# Altium PCB XMS0004.PcbDoc (part 2 of 5)
Units mm, origin at the board's own origin, x right, y up, seen from the top; angles counter-clockwise.
Board outline 160 x 130 mm, 4 copper layers (Layer 1 (Top), Layer 2 (GND), Layer 3 (PWR), Layer 4 (Bottom)), stack 1.564 mm thick; 490 components, 328 nets, 1713 pads, 922 vias.
Unrouted connection lines stored in the file: 5.
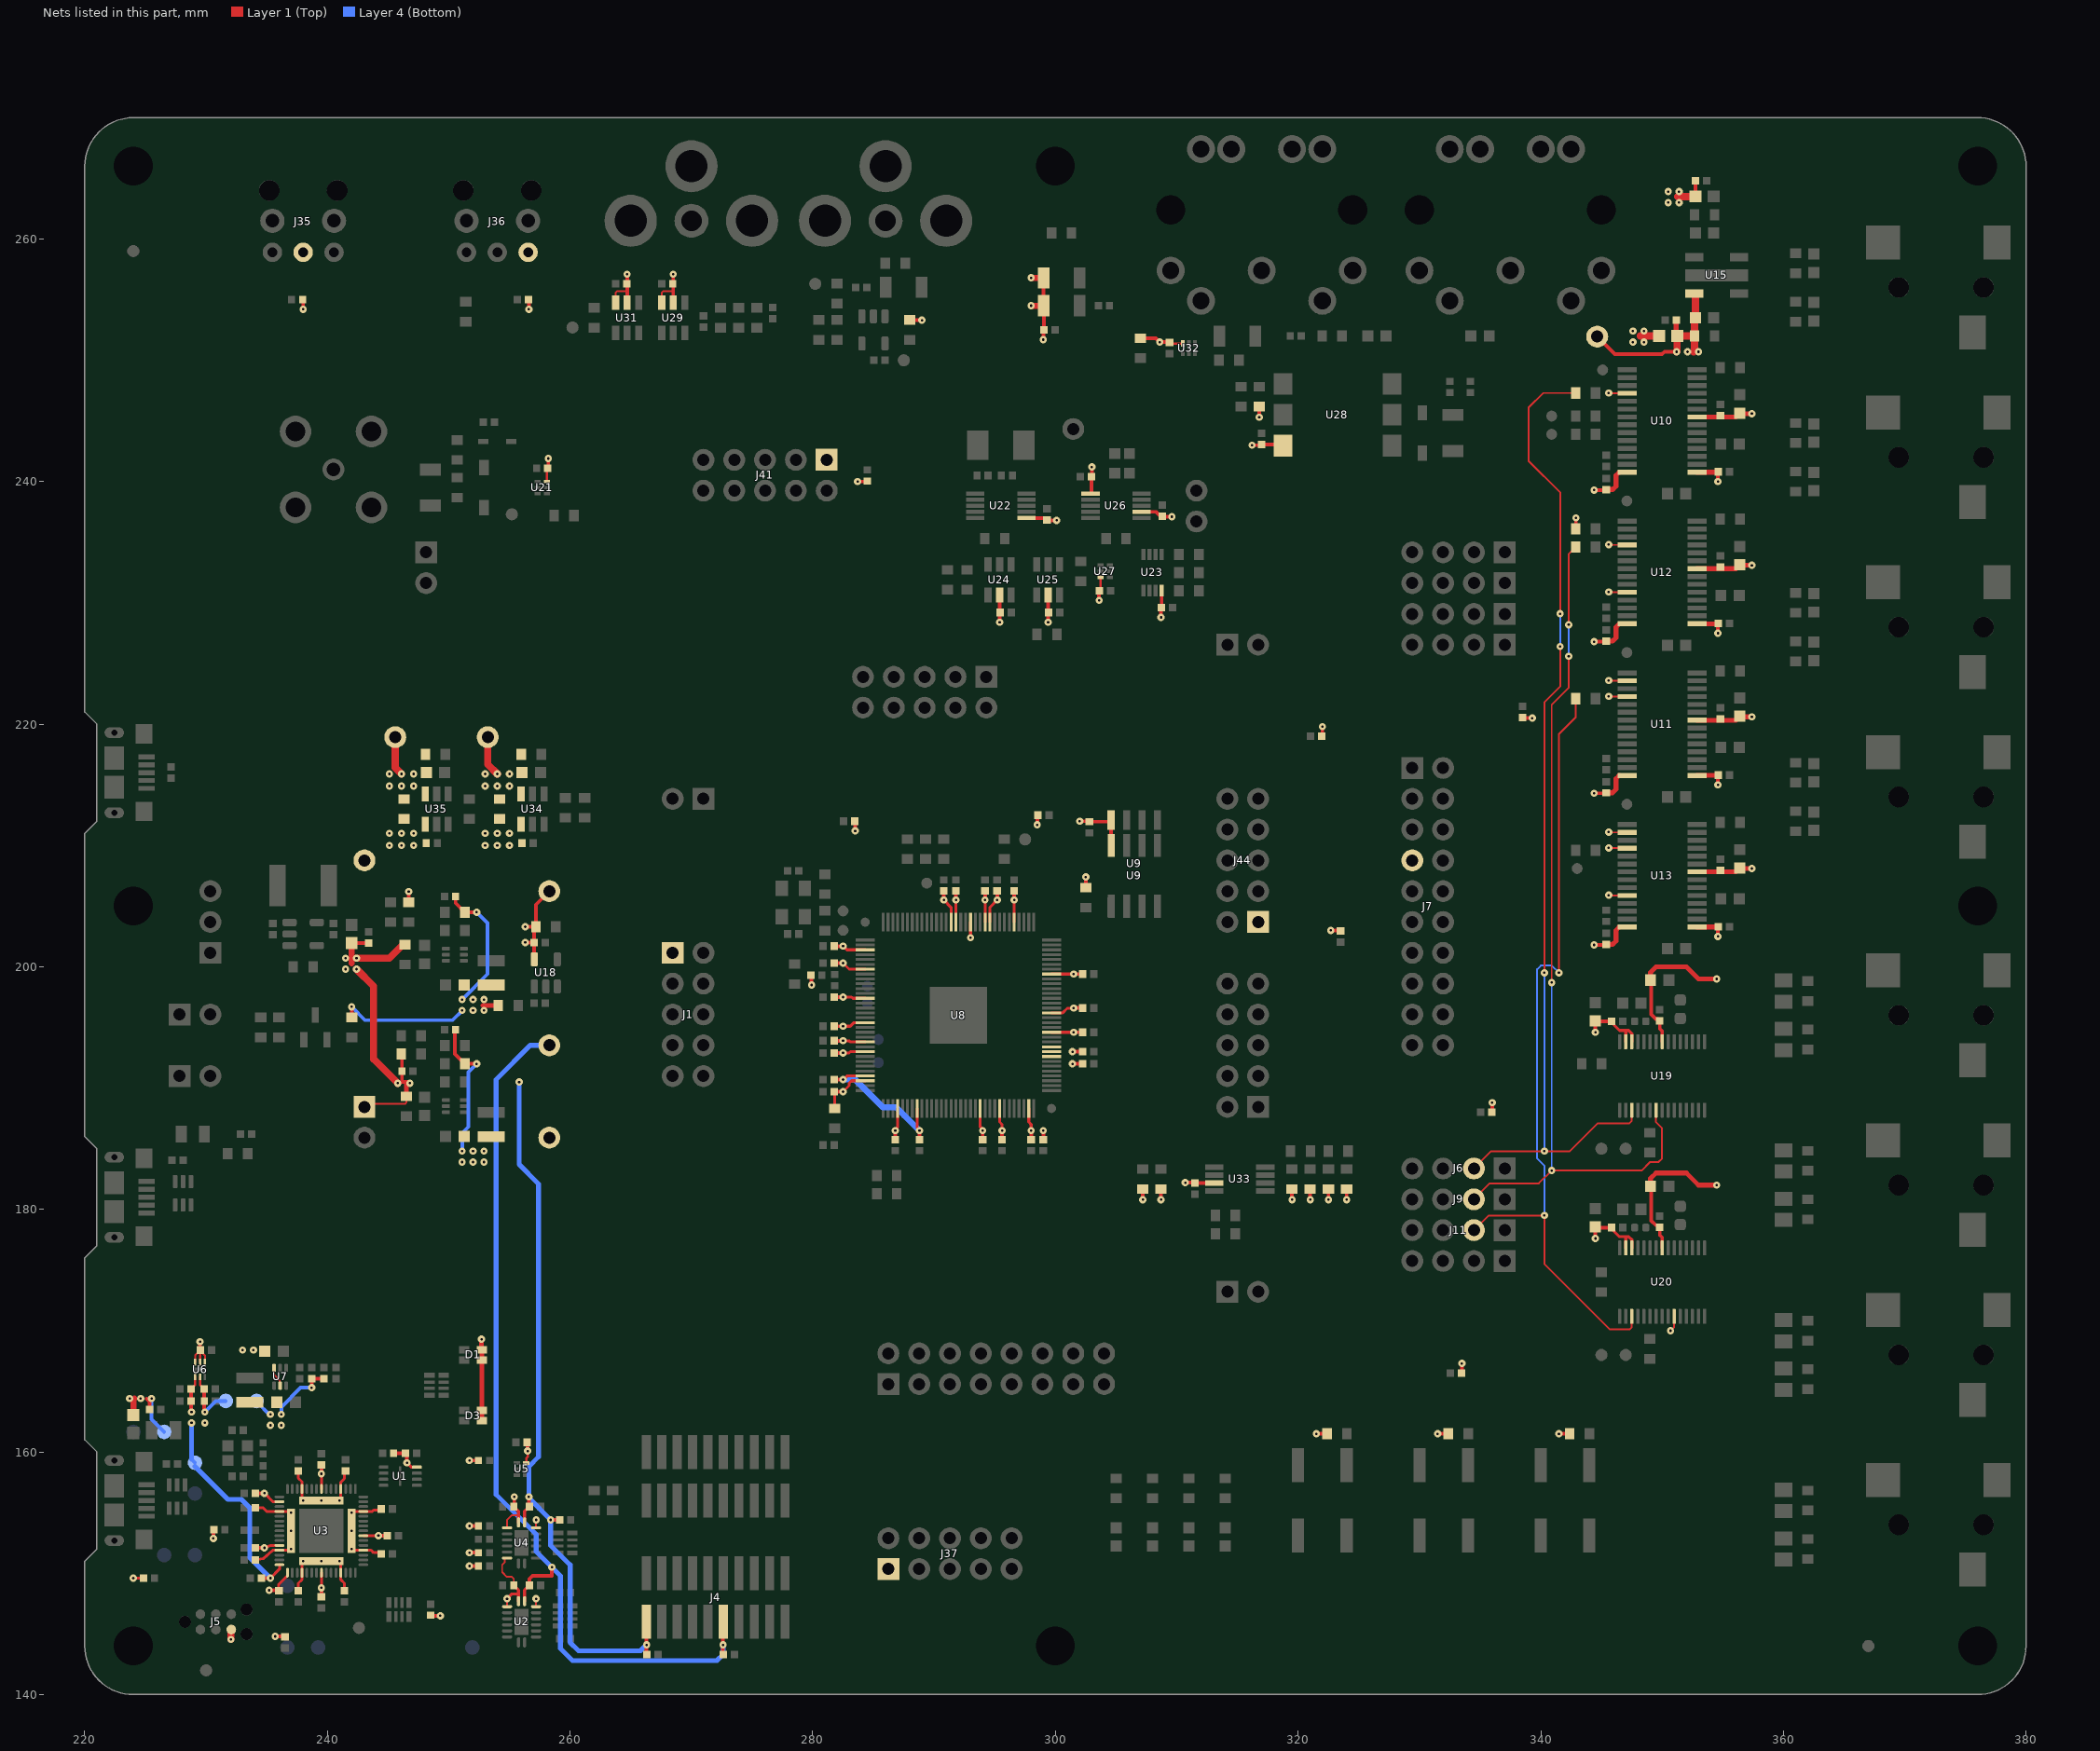
[diagram p4: the nets of this part, all layers, seen from the top]

## Footprints (in the part's own frame and the unit in brackets; to place one, negate y for a bottom-side part, rotate by r counter-clockwise, add the part's x,y. Pads: shape width x height; smd on the part's side, far side on the other; paste and mask are expansions set on the pad) (continued)
SOT95P280X145-6N [mm]
  rect 0.59x1.21 smd: 1(-0.95,-1.255) 2(0,-1.255) 3(0.95,-1.255) 4(0.95,1.255) 5(0,1.255) 6(-0.95,1.255)
  silkscreen extent -1.55,-1.8 1.55,0.88, body extent -1.45,-1.4 1.45,1.4, height 1.45
SW_CK_KSC4_JBEND [mm]
  rect 2.8x1 smd: 1A(-2.9,2) 1B(2.9,2) 2A(-2.9,-2) 2B(2.9,-2)
  silkscreen extent -3.2,-3.2 3.2,3.2, body extent -3.1,-3.1 3.1,3.1, height 5.25
TESTPOINT_SMD_0.9MM_L [mm]
  round 0.9 smd paste-1.6: 1(0,0)
TESTPOINT_SMD_1.2MM [mm]
  round 1.2 smd paste-3: 1(0,0)
  silkscreen extent -0.8,-0.8 0.8,0.8
TESTPOINT_SMD_1MM [mm]
  round 1 smd paste-2: 1(0,0)
  silkscreen extent -0.7,-0.7 0.7,0.7
TESTPOINT_THRU [mm]
  round 1.8 hole 1: 1(0,0)
  silkscreen extent -1.28,-1.28 1.28,1.28
TI_R_PUSON_N6 [mm]
  rect 0.3x0.52 smd: 1(-0.5,-0.385) 2(0,-0.385) 3(0.5,-0.385) 4(0.5,0.385) 5(0,0.385) 6(-0.5,0.385)
  silkscreen extent -0.83,-1.02 0.83,0.47, body extent -0.72,-0.5 0.72,0.5, height 0.65
TI_S_PX2SON_N6 [mm]
  rect 0.2x0.55 smd: 1(-0.4,-0.6) 2(0,-0.6) 3(0.4,-0.6) 4(0.4,0.6) 5(0,0.6) 6(-0.4,0.6)
  rect 0.94x0.3 smd paste-0.05: 7(0,0)
  silkscreen extent -0.77,-1.02 0.68,0.63, body extent -0.6,-0.65 0.6,0.65, height 0.45
TOREX_SOT_89_5 [mm]
  rect 0.7x1.5 smd: 1(-1.5,-1.85) 3(1.5,-1.85) 4(1.5,1.85) 5(-1.5,1.85)
  rect 1x5.2 smd: 2(0,0)
  Layer 1 (Top) region: -0.3,1.1 0.3,1.1 1,0.4 1,-0.4 0.3,-1.1 -0.3,-1.1 -1,-0.4 -1,0.4
  silkscreen extent -2.3,-2.25 2.3,1.3, body extent -2.25,-1.25 2.25,1.25, height 1.5
XTAL_CTS_445 [mm]
  rect 1.8x2.4 smd: 1(-1.9,0) 2(1.9,0)
  silkscreen extent -2.6,-1.7 2.6,1.7, body extent -2.5,-1.6 2.5,1.6, height 1.4

## Part data
C1 C2 C3 C4 C7 C8 C10 C16 C17 C18 C19 C20 C21 C22 C23 C24 C25 C26 C27 C28 C29 C30 C31 C32 C33 C34 C35 C39 C40 C41 C42 C43 C44 C45 C46 C47 C48 C49 C50 C51 C52 C53 C54 C55 C56 C57 C58 C59 C62 C64 C72 C73 C75 C76 C78 C79 C81 C82 C90 C91 C93 C94 C96 C97 C99 C100 C103 C104 C106 C114 C123 C125 C133 C135 C140 C141 C142 C143 C146 C147 C148 C149 C151 C153 C154 C157 C158 C159 C160 C161 C162 C163 C164 C165 C166 C167 C168 C169 C170 C171 C172 C173 C175: library part STD-06-0048, "CHIP CAPACITOR, CERAMIC, 100NF, 16V, 10%, X7R, 0402", Dielectric=X7R, Manufacturer=Yageo, Manufacturer Part Number=CC0402KRX7R7BB104, Rated Voltage=16V, Tolerance=10%, Approx Volume Cost ($)=0.003, Part Number=STD-06-0048
  C7 C8 C45 C62 C64 C72 C73 C75 C76 C78 C79 C81 C82 C90 C91 C93 C94 C96 C97 C99 C100 C103 C104 C106 C114 C123 C125 C133 C135 C140 C141 C142 C143 C146 C147 C148 C149 C151 C153 C154 C157 C158 C159 C160 C161 C162 C163 C166 C167 C168 C169 C170 C171 C172 C173 C175: Web Search Link=http://www.google.com/search?q=CC0402KRX7R7BB104
C5 C6 C13 C14 C15 C101 C102 C112 C118 C119 C176: library part STD-06-0140, "CHIP CAPACITOR, CERAMIC, 1.0UF, 16V, 10%, X5R, 0402", Dielectric=X5R, Manufacturer=Murata, Manufacturer Part Number=GRM155R61C105MA12D, Rated Voltage=16V, Tolerance=20%, Approx Volume Cost ($)=0.011, Part Number=STD-06-0140
  C6 C101 C102 C112 C118 C119 C176: Web Search Link=http://www.google.com/search?q=GRM155R61C105MA12D
C9: library part GEN-03-0029, "CHIP CAPACITOR, CERAMIC, 2.2UF, 6.3V, 10%, X5R, 0402", Dielectric=X5R, Manufacturer=AVX, Manufacturer Part Number=04026D225KAT2A, Rated Voltage=6.3V, Tolerance=10%, Approx Volume Cost ($)=0.015, Part Number=GEN-03-0029
C11 C12 C60 C61: library part STD-06-0016, "CHIP CAPACITOR, CERAMIC, 18PF, 50V, 5%, NP0, 0402", Dielectric=NP0, Manufacturer=Yageo, Manufacturer Part Number=CC0402JRNPO9BN180, Rated Voltage=50V, Tolerance=5%, Approx Volume Cost ($)=0.003, Part Number=STD-06-0016
  C60 C61: Web Search Link=http://www.google.com/search?q=CC0402JRNPO9BN180
C36 C38 C107 C111: library part GEN-03-0043, "CHIP CAPACITOR, CERAMIC, 10UF, 10V, 20%, X5R, 0603", Dielectric=X5R, Manufacturer=Murata, Manufacturer Part Number=GRM188R61A106ME69, Rated Voltage=10V, Tolerance=20%, Approx Volume Cost ($)=0.03, Part Number=GEN-03-0043
  C107 C111: Web Search Link=http://www.google.com/search?q=GRM188R61A106ME69
C37: library part STD-06-0034, "CHIP CAPACITOR, CERAMIC, 470PF, 50V, 10%, X7R, 0402", Dielectric=X7R, Manufacturer=Yageo, Manufacturer Part Number=CC0402KRX7R9BB471, Rated Voltage=50V, Tolerance=10%, Approx Volume Cost ($)=0.002, Part Number=STD-06-0034, Web Search Link=http://www.google.com/search?q=CC0402KRX7R9BB471
C63 C108 C155 C174 C177: library part STD-06-0042, "CHIP CAPACITOR, CERAMIC, 10NF, 50V, 10%, X7R, 0402", Dielectric=X7R, Manufacturer=Yageo, Manufacturer Part Number=CC0402KRX7R9BB103, Rated Voltage=50V, Tolerance=10%, Approx Volume Cost ($)=0.002, Part Number=STD-06-0042, Web Search Link=http://www.google.com/search?q=CC0402KRX7R9BB103
C65 C66 C67 C68 C83 C84 C85 C86: library part STD-06-0063, "CHIP CAPACITOR, CERAMIC, 2.2NF, 50V, 5%, NP0, 0603", Dielectric=NP0, Manufacturer=Murata, Manufacturer Part Number=GRM1885C1H222JA01D, Rated Voltage=50V, Tolerance=5%, Approx Volume Cost ($)=0.01, Part Number=STD-06-0063, Web Search Link=http://www.google.com/search?q=GRM1885C1H222JA01D
C69 C70 C71 C77 C87 C88 C89 C95 C128 C129 C138 C139: library part STD-06-0152, "CHIP CAPACITOR, CERAMIC, 2.2UF, 16V, 10%, X5R, 0603", Dielectric=X5R, Manufacturer=Yageo, Manufacturer Part Number=CC0603KRX5R7BB225, Rated Voltage=16V, Tolerance=10%, Approx Volume Cost ($)=0.033, Part Number=STD-06-0152, Web Search Link=http://www.google.com/search?q=CC0603KRX5R7BB225
C74 C80 C92 C98 C105 C109 C113 C115 C122 C124 C132 C134 C178: library part STD-06-0151, "CHIP CAPACITOR, CERAMIC, 4.7UF, 16V, 10%, X5R, 0603", Dielectric=X5R, Manufacturer=Murata, Manufacturer Part Number=GRM188R61C475KE11D, Rated Voltage=16V, Tolerance=10%, Approx Volume Cost ($)=0.084, Part Number=STD-06-0151, Web Search Link=http://www.google.com/search?q=GRM188R61C475KE11D
C110: library part STD-06-0030, "CHIP CAPACITOR, CERAMIC, 100PF, 50V, 10%, X7R, 0402", Dielectric=X7R, Manufacturer=Yageo, Manufacturer Part Number=CC0402KRX7R9BB101, Rated Voltage=50V, Tolerance=10%, Approx Volume Cost ($)=0.002, Part Number=STD-06-0030, Web Search Link=http://www.google.com/search?q=CC0402KRX7R9BB101
C116: library part STD-06-0147, "CHIP CAPACITOR, CERAMIC, 560PF, 50V, 5%, NP0, 0402", Dielectric=NP0, Manufacturer=Yageo, Manufacturer Part Number=CC0402JRNPO9BN561, Rated Voltage=50V, Tolerance=5%, Approx Volume Cost ($)=0.017, Part Number=STD-06-0147, Web Search Link=http://www.google.com/search?q=CC0402JRNPO9BN561
C117: library part GEN-03-0046, "CHIP CAPACITOR, CERAMIC, 22UF, 6.3V, 20%, X5R, 0603", Dielectric=X5R, Manufacturer=Murata, Manufacturer Part Number=GRM188R60J226MEA0, Rated Voltage=6.3V, Tolerance=20%, Approx Volume Cost ($)=0.04, Part Number=GEN-03-0046, Web Search Link=http://www.google.com/search?q=GRM188R60J226MEA0
C120 C121 C126 C127 C130 C131 C136 C137: library part GEN-03-0048, "CHIP CAPACITOR, CERAMIC, 10UF, 10V, 20%, X7R, 0805", Dielectric=X7R, Manufacturer=Murata, Manufacturer Part Number=GRM21BR71A106MA73L, Rated Voltage=10V, Tolerance=20%, Approx Volume Cost ($)=0.04, Part Number=GEN-03-0048, Web Search Link=http://www.google.com/search?q=GRM21BR71A106MA73L
C144 C145: library part STD-06-0018, "CHIP CAPACITOR, CERAMIC, 27PF, 50V, 5%, NP0, 0402", Dielectric=NP0, Manufacturer=Yageo, Manufacturer Part Number=CC0402JRNPO9BN270, Rated Voltage=50V, Tolerance=5%, Approx Volume Cost ($)=0.003, Part Number=STD-06-0018, Web Search Link=http://www.google.com/search?q=CC0402JRNPO9BN270
C150 C152: library part STD-06-0073, "CHIP CAPACITOR, CERAMIC, 100NF, 50V, 10%, X7R, 0603", Dielectric=X7R, Manufacturer=Yageo, Manufacturer Part Number=CC0603KRX7R9BB104, Rated Voltage=50V, Tolerance=10%, Approx Volume Cost ($)=0.002, Part Number=STD-06-0073, Web Search Link=http://www.google.com/search?q=CC0603KRX7R9BB104
C156: library part STD-06-0019, "CHIP CAPACITOR, CERAMIC, 33PF, 50V, 5%, NP0, 0402", Dielectric=NP0, Manufacturer=Yageo, Manufacturer Part Number=CC0402JRNPO9BN330, Rated Voltage=50V, Tolerance=5%, Approx Volume Cost ($)=0.003, Part Number=STD-06-0019, Web Search Link=http://www.google.com/search?q=CC0402JRNPO9BN330
D1 D3: library part GEN-17-0007, "LED, Top View, RED/GREEN, SMD, 0606", Colour=RED/GREEN, Manufacturer=Lite-On, Approx Volume Cost ($)=0.1, Manufacturer Part Number=LTST-C195KGJRKT, Part Number=GEN-17-0007
D2 D8: library part GEN-16-0048, "ESD Protection Diode Array, 0.6pF, SC-70-6 (SC-88)", Manufacturer="ON Semiconductor", Manufacturer Part Number=NUP4114UCLW1T2G, Approx Volume Cost ($)=0.1, Part Number=GEN-16-0048, Web Search Link=http://www.google.com/search?q=NUP4114UCLW1T2G
D4 D5 D6 D7: library part GEN-17-0001, "LED, GREEN, 0603", Colour=GREEN, Manufacturer=Kingbright, Manufacturer Part Number=APT1608CGCK, Approx Volume Cost ($)=0.05, Part Number=GEN-17-0001, Web Search Link=http://www.google.com/search?q=APT1608CGCK
D9 D10: library part GEN-16-0055, "Diode, 100V, 0.2A, SOD123", Manufacturer="ON Semiconductor", Approx Volume Cost ($)=0.04, Manufacturer Part Number=MMSD914T1G, Part Number=GEN-16-0055, Web Search Link=http://www.google.com/search?q=MMSD914T1G
D11 D12: library part GEN-16-0011, "Polymer ESD Protection Device, 24V Stand-Off, 0.25pF, 0603", Manufacturer=Tyco, Approx Volume Cost ($)=0.12, Manufacturer Part Number=PESD0603-240, Part Number=GEN-16-0011, Web Search Link=http://www.google.com/search?q=PESD0603-240
D13: library part GEN-16-0053, "Zener Diode, 3.9V, 2%, 0.2W, SOD-323F", Manufacturer="ON Semiconductor", Approx Volume Cost ($)=0.03, Manufacturer Part Number=MM3Z3V9B, Part Number=GEN-16-0053, Web Search Link=http://www.google.com/search?q=MM3Z3V9B
F1: library part GEN-21-0009, "PTC Fuse, SMD, 0.35A hold, 0.75A trip, 6V, 0805", Manufacturer="Bel Fuse", Manufacturer Part Number=0ZCK0035FF2G, Max Resistance (R1max)=1.2R, Max Voltage=6V, Trip Current=0.75A, Approx Volume Cost ($)=0.07, Hold Current=0.35A, Link="https://www.google.com/search?q=Bel Fuse 0ZCK0035FF2G", Part Number=GEN-21-0009
F2: library part GEN-21-0008, "Polyswitch Resettable Fuse, miniSMDC Series, 1.1A, 24V, SMD", Manufacturer=Littelfuse, Manufacturer Part Number=MINISMDC110F/24, Max Resistance (R1max)=0.18R, Max Voltage=24V, Approx Volume Cost ($)=0.25, Part Number=GEN-21-0008, Web Search Link=http://www.google.com/search?q=MINISMDC110F/24
FB1 FB4 FB5 FB6: library part GEN-04-0018, "Ferrite Bead, 220R AT 100MHz, For Power Lines, AEC-Q200, 0603, 2.2A", Manufacturer=Murata, Manufacturer Part Number=BLM18KG221BH1, Rated Current=2.2A, Approx Volume Cost ($)=0.022, Max DCR=0.05R, Part Number=GEN-04-0018, Web Search Link=http://www.google.com/search?q=BLM18KG221BH1
FB2 FB3 FB7 FB8 FB9 FB10: library part GEN-04-0019, "Ferrite Bead, 1000R AT 100MHz, For Signal Lines, 0402, 0.25A", Manufacturer=Murata, Manufacturer Part Number=BLM15HD102SN1, Rated Current=0.25A, Approx Volume Cost ($)=0.018, Max DCR=1.25R, Part Number=GEN-04-0019, Web Search Link=http://www.google.com/search?q=BLM15HD102SN1
FM5 FM6 FM7 FM8 FM9 FM10: library part GEN-24-0001, "Fiducial, Circle, 1mm Pad, 2mm Keepout", Manufacturer=NA, Approx Volume Cost ($)=NA, Manufacturer Part Number=NA, Part Number=GEN-24-0001
J1 J37 J41 J42 J43 J44: library part GEN-01-0029, "Pin Header, Male, Vertical, Through Hole, 10 Way, 2x5, 0.1 Inch Pitch", Manufacturer=FCI, Approx Volume Cost ($)=0.2, Manufacturer Part Number=67997-210HLF, Part Number=GEN-01-0029, Web Search Link=http://www.google.com/search?q=67997-210HLF
J2 J16 J23: library part GEN-01-0020, "USB Micro B Receptacle, Right Angle, SMD w/2 DIP Legs", Manufacturer=FCI, Manufacturer Part Number=10118193-0001LF, Approx Volume Cost ($)=0.19, Part Number=GEN-01-0020
  J16 J23: Web Search Link=http://www.google.com/search?q=10118193-0001LF
J3 J6 J8 J9 J10 J11 J12 J13: library part GEN-01-0125, "Pin Header, Male, Vertical, Through Hole, 4 Way, 1x4, 0.1 Inch Pitch", Manufacturer=FCI, Approx Volume Cost ($)=0.18, Manufacturer Part Number=68001-204HLF, Part Number=GEN-01-0125, Web Search Link=http://www.google.com/search?q=68001-204HLF
J4 J45: library part GEN-01-0126, "Pin Header, Male, Vertical, 20 Way, 2x10, 1.27mm Pitch, Keying Shroud, SMD", Manufacturer=Samtec, Approx Volume Cost ($)=3.7, Manufacturer Part Number=FTSH-110-01-F-DV-K, Part Number=GEN-01-0126, Web Search Link=http://www.google.com/search?q=FTSH-110-01-F-DV-K
J5: library part GEN-24-0021, "Connectorless Tag Connect Footprint, 6 pin, No Legs", Manufacturer=NA, Approx Volume Cost ($)=NA, Manufacturer Part Number=NA, Part Number=GEN-24-0021
J7: library part GEN-01-0070, "Pin Header, Male, Vertical, Through Hole, 20 Way, 2x10, 0.1 Inch Pitch", Manufacturer=FCI, Approx Volume Cost ($)=0.73, Manufacturer Part Number=67997-220HLF, Part Number=GEN-01-0070, Web Search Link=http://www.google.com/search?q=67997-220HLF
J14 J15 J17 J24 J30 J39 J40: library part GEN-01-0011, "Pin Header, Male, Vertical, Through Hole, 2 Way, 1x2, 0.1 Inch Pitch", Manufacturer=FCI, Approx Volume Cost ($)=0.08, Manufacturer Part Number=68001-202HLF, Part Number=GEN-01-0011
  J14 J15 J24 J30 J39 J40: Web Search Link=http://www.google.com/search?q=68001-202HLF
J18 J19 J20 J21 J25 J26 J27 J28: library part GEN-01-0021, "TRS jack, 3.5mm, SMD", Manufacturer=CUI, Approx Volume Cost ($)=0.51, Manufacturer Part Number=SJ-3523-SMT, Part Number=GEN-01-0021, Web Search Link=http://www.google.com/search?q=SJ-3523-SMT
J22: library part GEN-01-0023, "Pin Header, Male, Vertical, Through Hole, 3 Way, 1x3, 0.1 Inch Pitch", Manufacturer=FCI, Approx Volume Cost ($)=0.08, Manufacturer Part Number=68001-203HLF, Part Number=GEN-01-0023, Web Search Link=http://www.google.com/search?q=68001-203HLF
J29: library part GEN-01-0127, "BNC Jack, Board Mount, Vertical, 75 ohm, w/Mounting Posts", Manufacturer="TE Connectivity", Approx Volume Cost ($)=1.4, Manufacturer Part Number=5-1634503-3, Part Number=GEN-01-0127, Web Search Link=http://www.google.com/search?q=5-1634503-3
J31 J32: library part GEN-01-0123, "Standard DIN Connector, 5 Pin, 180 degrees, PCB Mount, Right Angle, Through Hole", Manufacturer=CUI, Approx Volume Cost ($)=0.78, Manufacturer Part Number=SDS-50J, Part Number=GEN-01-0123, Web Search Link=http://www.google.com/search?q=SDS-50J
J33 J34: library part GEN-01-0124, "RCA Jack, Right Angle, Orange, Through Hole", Manufacturer=CUI, Approx Volume Cost ($)=0.47, Manufacturer Part Number=RCJ-017, Part Number=GEN-01-0124, Web Search Link=http://www.google.com/search?q=RCJ-017
J35: library part GEN-01-0119, "Optical Digital Audio Transmitter, Black Shutter, 16Mbps max, 2.7-5.5V, Through Hole", Manufacturer="Aixin Opto-Electrical Technology", Approx Volume Cost ($)=0.5, Manufacturer Part Number=DLT1160A-B, Part Number=GEN-01-0119, Web Search Link=http://www.google.com/search?q=DLT1160A
J36: library part GEN-01-0120, "Optical Digital Audio Receiver, Black Shutter, 16Mbps max, 2.7-5.5V, Through Hole", Manufacturer="Aixin Opto-Electrical Technology", Approx Volume Cost ($)=0.5, Manufacturer Part Number=DLR1160-B, Part Number=GEN-01-0120, Web Search Link=http://www.google.com/search?q=DLR1160
J38: library part GEN-01-0019, "Pin Header, Male, Through Hole, 16 Way, 2x8, 0.76u Gold, 0.1 Inch Pitch", Manufacturer=FCI, Approx Volume Cost ($)=0.29, Manufacturer Part Number=67997-116HLF, Part Number=GEN-01-0019
L1 L2 L3: library part GEN-05-0025, "Power Inductor, 1.5uH, 2.6A, 65mR DCR, 2.5x2.0x1.2mm, SMD", Manufacturer="Taiyo Yuden", Manufacturer Part Number=MAMK2520H1R5M, Max DC Resistance=0.065R, Rated Current (Saturation)=3.3A, Rated Current (Temp Rise)=2.6A, Tolerance=20%, Approx Volume Cost ($)=0.096, Part Number=GEN-05-0025, Web Search Link=http://www.google.com/search?q=MAMK2520H1R5M
Q1: library part GEN-16-0051, "BJT Transistor, NPN, 40V, 200mA, SOT23", Manufacturer=Nexperia, Manufacturer Part Number=MMBT3904,215, Approx Volume Cost ($)=0.02, Part Number=GEN-16-0051, Web Search Link=http://www.google.com/search?q=MMBT3904,215
R1: library part STD-09-0014, "CHIP RESISTOR ARRAY, 4 ELEMENT, 470 OHM, 63mW, 5%, 0804", Manufacturer=Yageo, Manufacturer Part Number=YC124-JR-07470RL, Max Power=63mW, Max Voltage=25V, Temperature Coefficient=±200ppm/°C, Tolerance=5%, Approx Volume Cost ($)=0.007, Part Number=STD-09-0014
R2 R7 R8 R9 R10 R22: library part STD-01-0072, "CHIP RESISTOR, 4.7K OHM, 63mW, 1%, 0402", Manufacturer=Yageo, Manufacturer Part Number=RC0402FR-074K7L, Max Power=63mW, Max Voltage=50V, Temperature Coefficient=±100ppm/°C, Tolerance=1%, Approx Volume Cost ($)=0.002, Part Number=STD-01-0072
R3 R14: library part GEN-02-0026, "CHIP RESISTOR ARRAY, 4 ELEMENT, 36 OHM, 63mW, 5%, 0804", Manufacturer=Panasonic, Manufacturer Part Number=EXB-28V360JX, Max Power=63mW, Max Voltage=50V, Temperature Coefficient=±200ppm/°C, Tolerance=5%, Approx Volume Cost ($)=0.008, Part Number=GEN-02-0026
R4 R5 R11 R16 R17 R29: library part STD-01-0080, "CHIP RESISTOR, 10K OHM, 63mW, 1%, 0402", Manufacturer=Yageo, Manufacturer Part Number=RC0402FR-0710KL, Max Power=63mW, Max Voltage=50V, Temperature Coefficient=±100ppm/°C, Tolerance=1%, Approx Volume Cost ($)=0.002, Part Number=STD-01-0080
R6: library part STD-09-0026, "CHIP RESISTOR ARRAY, 4 ELEMENT, 47K OHM, 63mW, 5%, 0804", Manufacturer=Yageo, Manufacturer Part Number=YC124-JR-0747KL, Max Power=63mW, Max Voltage=25V, Temperature Coefficient=±200ppm/°C, Tolerance=5%, Approx Volume Cost ($)=0.007, Part Number=STD-09-0026
R12 R13 R24 R25 R27 R32 R39 R40 R80 R86 R90 R93 R94 R95 R96 R97 R98 R99 R115 R117 R122 R125 R126: library part STD-02-0026, "CHIP RESISTOR, 33 OHM, 0.1W, 1%, 0603", Manufacturer=Yageo, Manufacturer Part Number=RC0603FR-0733RL, Max Power=100mW, Max Voltage=50V, Temperature Coefficient=±100ppm/°C, Tolerance=1%, Approx Volume Cost ($)=0.002, Part Number=STD-02-0026, Web Search Link=http://www.google.com/search?q=RC0603FR-0733RL
R15 R23 R37 R38 R43 R59 R69 R72 R74 R106 R119 R121 R135 R136 R138 R142: library part STD-02-0086, "CHIP RESISTOR, 10K OHM, 0.1W, 1%, 0603", Manufacturer=Yageo, Manufacturer Part Number=RC0603FR-0710KL, Max Power=100mW, Max Voltage=50V, Temperature Coefficient=±100ppm/°C, Tolerance=1%, Approx Volume Cost ($)=0.002, Part Number=STD-02-0086, Web Search Link=http://www.google.com/search?q=RC0603FR-0710KL
R18: library part STD-02-0134, "CHIP RESISTOR, 1.0M OHM, 0.1W, 5%, 0603", Manufacturer=Yageo, Manufacturer Part Number=RC0603JR-071ML, Max Power=100mW, Max Voltage=50V, Temperature Coefficient=±100ppm/°C, Tolerance=5%, Approx Volume Cost ($)=0.002, Part Number=STD-02-0134
R19: library part STD-01-0128, "CHIP RESISTOR, 1.0M OHM, 63mW, 5%, 0402", Manufacturer=Yageo, Manufacturer Part Number=RC0402JR-071ML, Max Power=63mW, Max Voltage=50V, Temperature Coefficient=±100ppm/°C, Tolerance=5%, Approx Volume Cost ($)=0.002, Part Number=STD-01-0128
R20: library part STD-02-0058, "CHIP RESISTOR, 680 OHM, 0.1W, 1%, 0603", Manufacturer=Yageo, Manufacturer Part Number=RC0603FR-07680RL, Max Power=100mW, Max Voltage=50V, Temperature Coefficient=±100ppm/°C, Tolerance=1%, Approx Volume Cost ($)=0.002, Part Number=STD-02-0058
R21: library part STD-01-0052, "CHIP RESISTOR, 680 OHM, 63mW, 1%, 0402", Manufacturer=Yageo, Manufacturer Part Number=RC0402FR-07680RL, Max Power=63mW, Max Voltage=50V, Temperature Coefficient=±100ppm/°C, Tolerance=1%, Approx Volume Cost ($)=0.002, Part Number=STD-01-0052
R26 R28: library part STD-01-0096, "CHIP RESISTOR, 47K OHM, 63mW, 1%, 0402", Manufacturer=Yageo, Manufacturer Part Number=RC0402FR-0747KL, Max Power=63mW, Max Voltage=50V, Temperature Coefficient=±100ppm/°C, Tolerance=1%, Approx Volume Cost ($)=0.002, Part Number=STD-01-0096
R30: library part STD-01-0087, "CHIP RESISTOR, 20K OHM, 63mW, 1%, 0402", Manufacturer=Yageo, Manufacturer Part Number=RC0402FR-0720KL, Max Power=63mW, Max Voltage=50V, Temperature Coefficient=±100ppm/°C, Tolerance=1%, Approx Volume Cost ($)=0.002, Part Number=STD-01-0087
R31: library part STD-01-0108, "CHIP RESISTOR, 150K OHM, 63mW, 1%, 0402", Manufacturer=Yageo, Manufacturer Part Number=RC0402FR-07150KL, Max Power=63mW, Max Voltage=50V, Temperature Coefficient=±100ppm/°C, Tolerance=1%, Approx Volume Cost ($)=0.002, Part Number=STD-01-0108, Web Search Link=http://www.google.com/search?q=RC0402FR-07150KL
R33 R34 R35 R36 R49 R50 R51 R52 R55 R56 R57 R58 R102: library part STD-02-0054, "CHIP RESISTOR, 470 OHM, 0.1W, 1%, 0603", Manufacturer=Yageo, Manufacturer Part Number=RC0603FR-07470RL, Max Power=100mW, Max Voltage=50V, Temperature Coefficient=±100ppm/°C, Tolerance=1%, Approx Volume Cost ($)=0.002, Part Number=STD-02-0054, Web Search Link=http://www.google.com/search?q=RC0603FR-07470RL
R41 R42 R63 R127 R128 R129 R130: library part STD-02-0078, "CHIP RESISTOR, 4.7K OHM, 0.1W, 1%, 0603", Manufacturer=Yageo, Manufacturer Part Number=RC0603FR-074K7L, Max Power=100mW, Max Voltage=50V, Temperature Coefficient=±100ppm/°C, Tolerance=1%, Approx Volume Cost ($)=0.002, Part Number=STD-02-0078, Web Search Link=http://www.google.com/search?q=RC0603FR-074K7L
R44 R78 R79 R81 R82 R84 R85 R87 R88: library part STD-02-0102, "CHIP RESISTOR, 47K OHM, 0.1W, 1%, 0603", Manufacturer=Yageo, Manufacturer Part Number=RC0603FR-0747KL, Max Power=100mW, Max Voltage=50V, Temperature Coefficient=±100ppm/°C, Tolerance=1%, Approx Volume Cost ($)=0.002, Part Number=STD-02-0102, Web Search Link=http://www.google.com/search?q=RC0603FR-0747KL
R45 R46 R64 R107: library part STD-02-0110, "CHIP RESISTOR, 100K OHM, 0.1W, 1%, 0603", Manufacturer=Yageo, Manufacturer Part Number=RC0603FR-07100KL, Max Power=100mW, Max Voltage=50V, Temperature Coefficient=±100ppm/°C, Tolerance=1%, Approx Volume Cost ($)=0.002, Part Number=STD-02-0110, Web Search Link=http://www.google.com/search?q=RC0603FR-07100KL
R47: library part GEN-02-0029, "CHIP RESISTOR, 0.1 OHM, 250mW, 1%, 0805", Manufacturer=Yageo, Manufacturer Part Number=RL0805FR-7W0R1L, Max Power=0.25W, Max Voltage=50V, Temperature Coefficient=±600ppm/°C, Tolerance=1%, Approx Volume Cost ($)=0.06, Part Number=GEN-02-0029, Web Search Link=http://www.google.com/search?q=RL0805FR-7W0R1L
R48: library part STD-02-0126, "CHIP RESISTOR, 470K OHM, 0.1W, 1%, 0603", Manufacturer=Yageo, Manufacturer Part Number=RC0603FR-07470KL, Max Power=100mW, Max Voltage=50V, Temperature Coefficient=±100ppm/°C, Tolerance=1%, Approx Volume Cost ($)=0.002, Part Number=STD-02-0126, Web Search Link=http://www.google.com/search?q=RC0603FR-07470KL
R53 R54 R60 R61 R65 R68 R83 R89 R105 R116 R118 R120 R123 R124 R131 R132 R133 R134 R139 R140 R141: library part STD-02-0001, "CHIP RESISTOR, ZERO OHM JUMPER, 1A, 0603", Manufacturer=Yageo, Manufacturer Part Number=RC0603JR-070RL, Max Power=NA, Max Voltage=50V, Approx Volume Cost ($)=0.002, Part Number=STD-02-0001, Temperature Coefficient=NA, Tolerance=NA, Web Search Link=http://www.google.com/search?q=RC0603JR-070RL
R62: library part GEN-02-0023, "CHIP RESISTOR, 0.5 OHM, 100mW, 1%, 0603", Manufacturer=Yageo, Manufacturer Part Number=RL0603FR-070R5L, Max Power=0.1W, Max Voltage=50V, Temperature Coefficient=±800ppm/°C, Tolerance=1%, Approx Volume Cost ($)=0.06, Part Number=GEN-02-0023, Web Search Link=http://www.google.com/search?q=RL0603FR-070R5L
R66 R76: library part STD-02-0093, "CHIP RESISTOR, 20K OHM, 0.1W, 1%, 0603", Manufacturer=Yageo, Manufacturer Part Number=RC0603FR-0720KL, Max Power=100mW, Max Voltage=50V, Temperature Coefficient=±100ppm/°C, Tolerance=1%, Approx Volume Cost ($)=0.002, Part Number=STD-02-0093, Web Search Link=http://www.google.com/search?q=RC0603FR-0720KL
R67 R71 R143: library part STD-02-0106, "CHIP RESISTOR, 68K OHM, 0.1W, 1%, 0603", Manufacturer=Yageo, Manufacturer Part Number=RC0603FR-0768KL, Max Power=100mW, Max Voltage=50V, Temperature Coefficient=±100ppm/°C, Tolerance=1%, Approx Volume Cost ($)=0.002, Part Number=STD-02-0106, Web Search Link=http://www.google.com/search?q=RC0603FR-0768KL
R70: library part STD-02-0090, "CHIP RESISTOR, 15K OHM, 0.1W, 1%, 0603", Manufacturer=Yageo, Manufacturer Part Number=RC0603FR-0715KL, Max Power=100mW, Max Voltage=50V, Temperature Coefficient=±100ppm/°C, Tolerance=1%, Approx Volume Cost ($)=0.002, Part Number=STD-02-0090, Web Search Link=http://www.google.com/search?q=RC0603FR-0715KL
R73: library part GEN-02-0024, "CHIP RESISTOR, 0.1 OHM, 100mW, 1%, 0603", Manufacturer=Yageo, Manufacturer Part Number=RL0603FR-070R1L, Max Power=0.1W, Max Voltage=50V, Temperature Coefficient=±800ppm/°C, Tolerance=1%, Approx Volume Cost ($)=0.06, Part Number=GEN-02-0024, Web Search Link=http://www.google.com/search?q=RL0603FR-070R1L
R75: library part STD-02-0119, "CHIP RESISTOR, 240K OHM, 0.1W, 1%, 0603", Manufacturer=Yageo, Manufacturer Part Number=RC0603FR-07240KL, Max Power=100mW, Max Voltage=50V, Temperature Coefficient=±100ppm/°C, Tolerance=1%, Approx Volume Cost ($)=0.002, Part Number=STD-02-0119, Web Search Link=http://www.google.com/search?q=RC0603FR-07240KL
R77 R137: library part STD-02-0118, "CHIP RESISTOR, 220K OHM, 0.1W, 1%, 0603", Manufacturer=Yageo, Manufacturer Part Number=RC0603FR-07220KL, Max Power=100mW, Max Voltage=50V, Temperature Coefficient=±100ppm/°C, Tolerance=1%, Approx Volume Cost ($)=0.002, Part Number=STD-02-0118, Web Search Link=http://www.google.com/search?q=RC0603FR-07220KL
R91: library part STD-02-0062, "CHIP RESISTOR, 1.0K OHM, 0.1W, 1%, 0603", Manufacturer=Yageo, Manufacturer Part Number=RC0603FR-071KL, Max Power=100mW, Max Voltage=50V, Temperature Coefficient=±100ppm/°C, Tolerance=1%, Approx Volume Cost ($)=0.002, Part Number=STD-02-0062, Web Search Link=http://www.google.com/search?q=RC0603FR-071KL
R92 R112: library part STD-05-0035, "CHIP RESISTOR, 75 OHM, 0.25W, 1%, 1206", Manufacturer=Yageo, Manufacturer Part Number=RC1206FR-0775RL, Max Power=250mW, Max Voltage=200V, Temperature Coefficient=±100ppm/°C, Tolerance=1%, Approx Volume Cost ($)=0.004, Part Number=STD-05-0035, Web Search Link=http://www.google.com/search?q=RC1206FR-0775RL
R100 R101: library part STD-05-0034, "CHIP RESISTOR, 68 OHM, 0.25W, 1%, 1206", Manufacturer=Yageo, Manufacturer Part Number=RC1206FR-0768RL, Max Power=250mW, Max Voltage=200V, Temperature Coefficient=±100ppm/°C, Tolerance=1%, Approx Volume Cost ($)=0.004, Part Number=STD-05-0034, Web Search Link=http://www.google.com/search?q=RC1206FR-0768RL
R103: library part STD-05-0046, "CHIP RESISTOR, 220 OHM, 0.25W, 1%, 1206", Manufacturer=Yageo, Manufacturer Part Number=RC1206FR-07220RL, Max Power=250mW, Max Voltage=200V, Temperature Coefficient=±100ppm/°C, Tolerance=1%, Approx Volume Cost ($)=0.004, Part Number=STD-05-0046, Web Search Link=http://www.google.com/search?q=RC1206FR-07220RL
R104: library part STD-05-0014, "CHIP RESISTOR, 10 OHM, 0.25W, 1%, 1206", Manufacturer=Yageo, Manufacturer Part Number=RC1206FR-0710RL, Max Power=250mW, Max Voltage=200V, Temperature Coefficient=±200ppm/°C, Tolerance=1%, Approx Volume Cost ($)=0.004, Part Number=STD-05-0014, Web Search Link=http://www.google.com/search?q=RC1206FR-0710RL
R108: library part STD-02-0034, "CHIP RESISTOR, 68 OHM, 0.1W, 1%, 0603", Manufacturer=Yageo, Manufacturer Part Number=RC0603FR-0768RL, Max Power=100mW, Max Voltage=50V, Temperature Coefficient=±100ppm/°C, Tolerance=1%, Approx Volume Cost ($)=0.002, Part Number=STD-02-0034, Web Search Link=http://www.google.com/search?q=RC0603FR-0768RL
R109 R110 R113 R114: library part STD-02-0046, "CHIP RESISTOR, 220 OHM, 0.1W, 1%, 0603", Manufacturer=Yageo, Manufacturer Part Number=RC0603FR-07220RL, Max Power=100mW, Max Voltage=50V, Temperature Coefficient=±100ppm/°C, Tolerance=1%, Approx Volume Cost ($)=0.002, Part Number=STD-02-0046, Web Search Link=http://www.google.com/search?q=RC0603FR-07220RL